# Altium PCB APP_EMILE.PcbDoc (part 1 of 6) (continued)
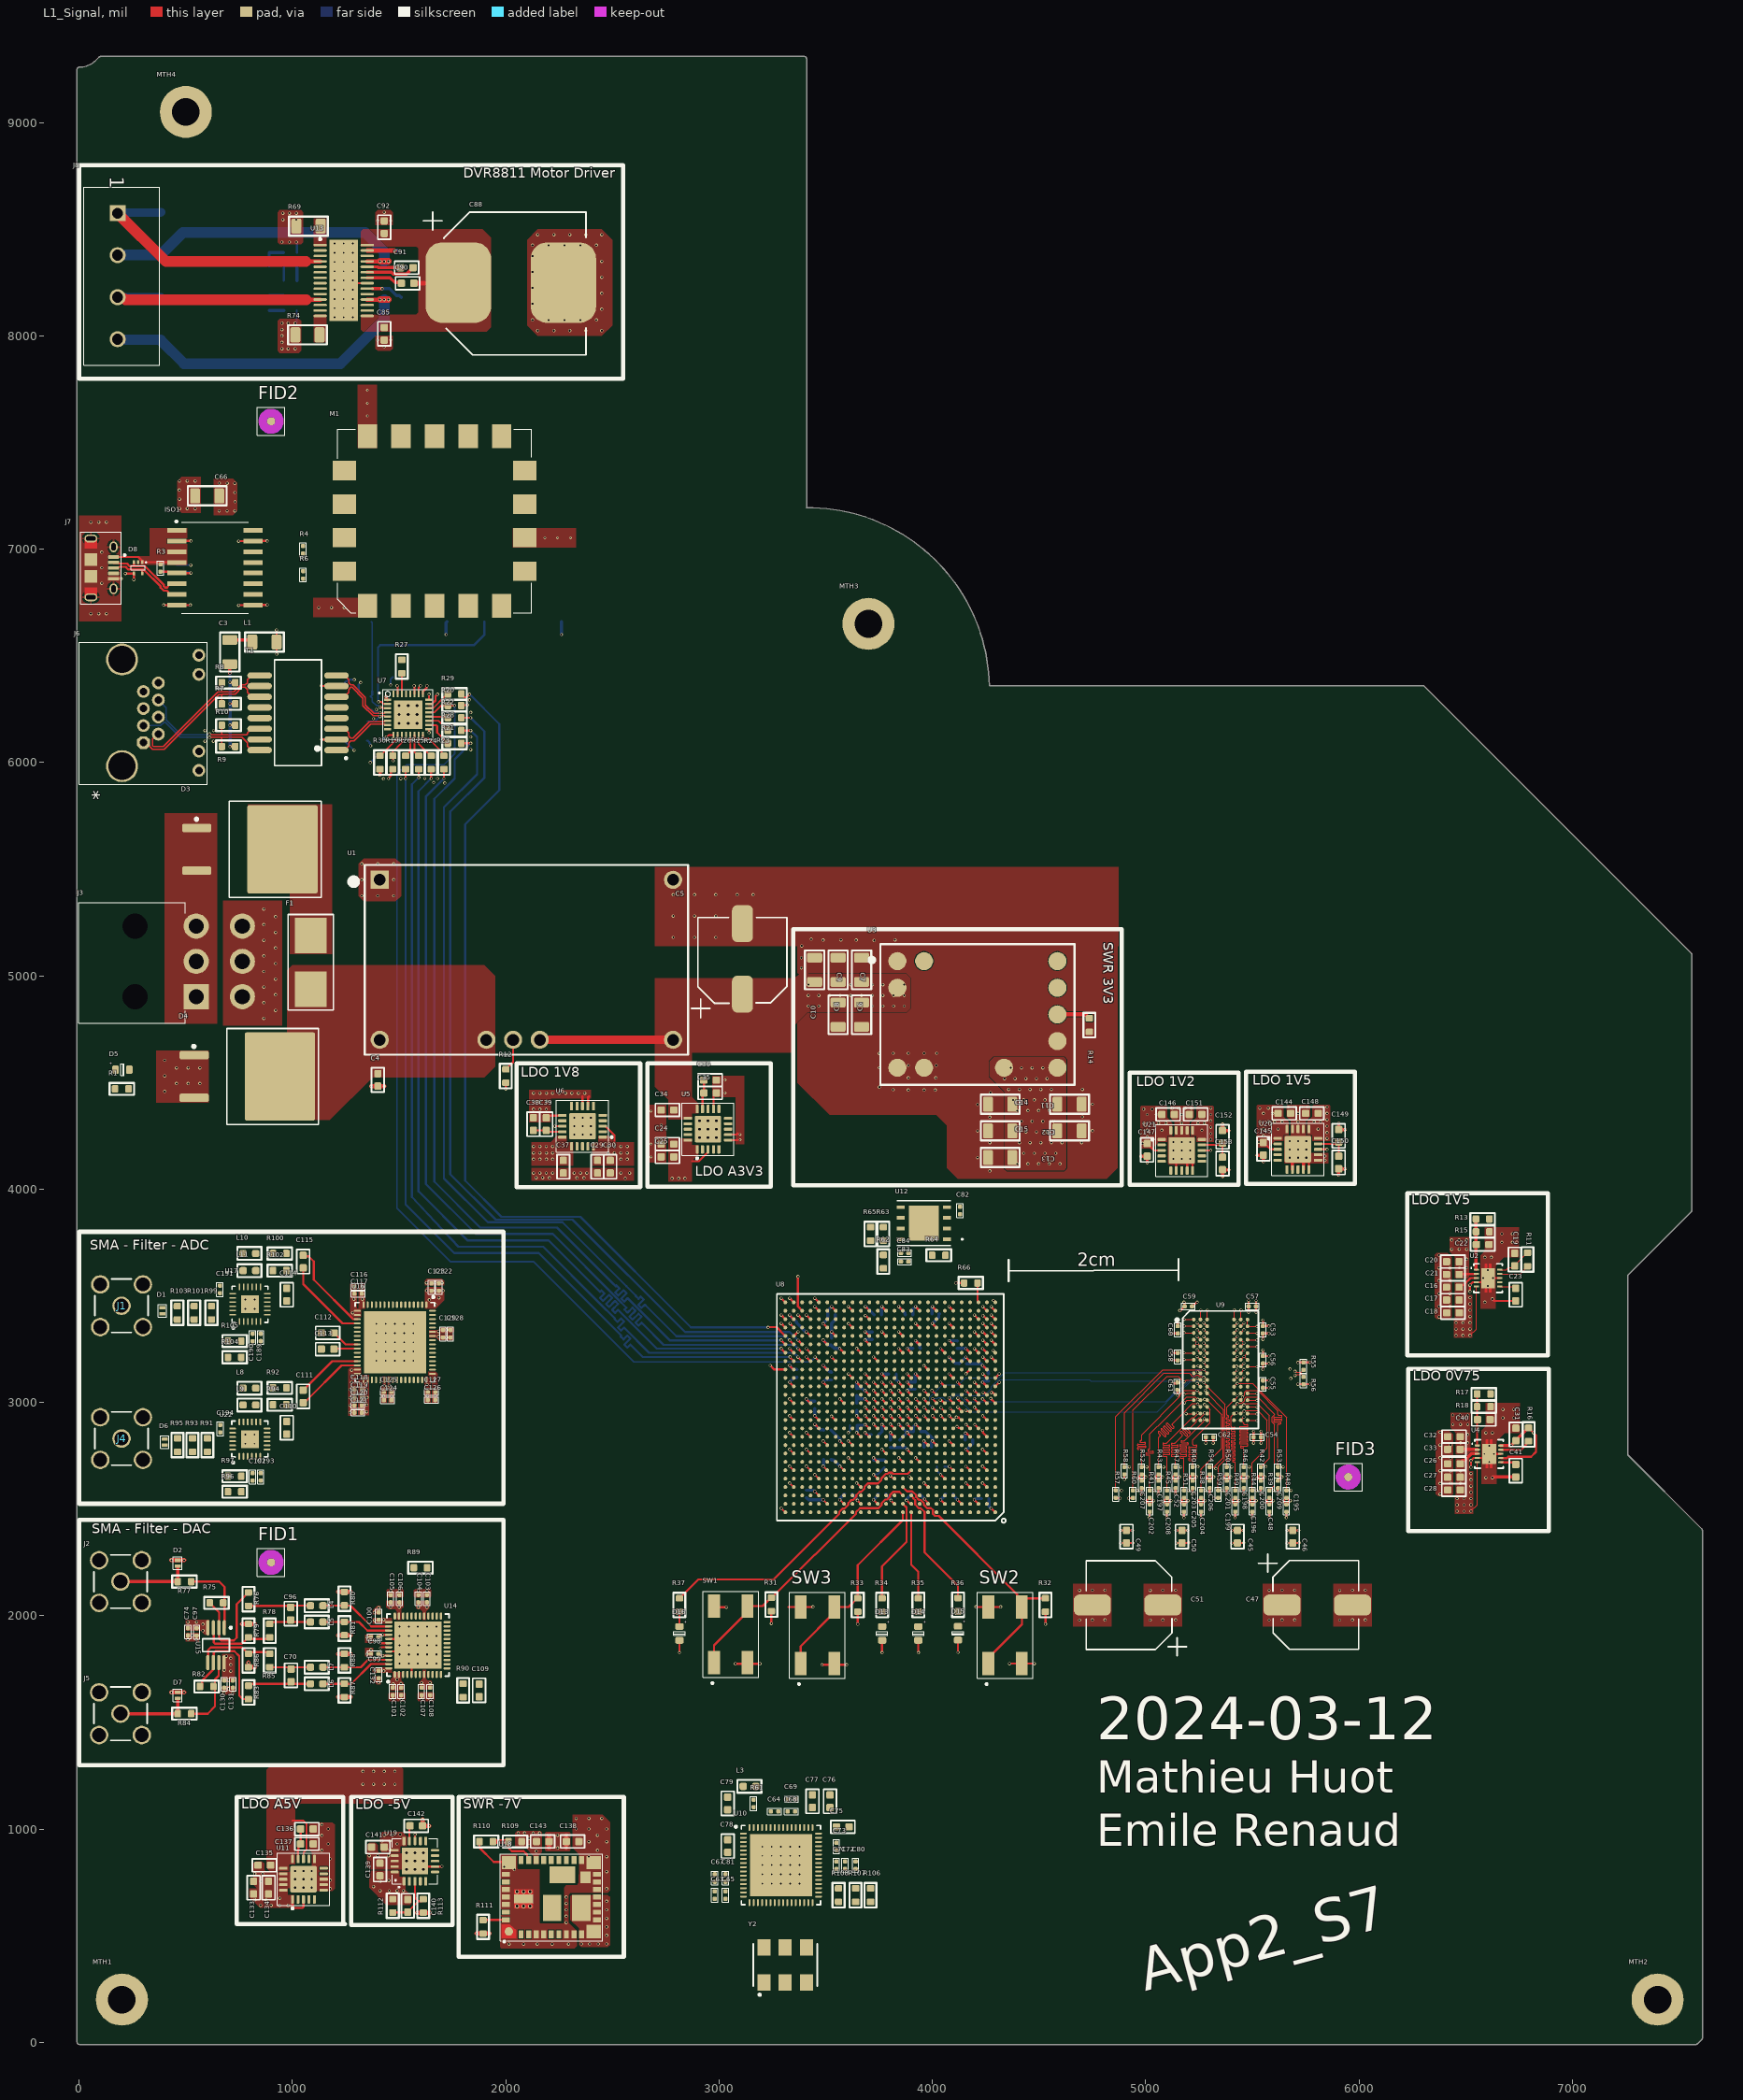
[diagram p0: L1_Signal view]
## Design rules (kind name [scope] priority, off if disabled: settings) (continued)
SilkToSilkClearance [All] p1 off: silktosilkclearance=4
SilkToSolderMaskClearance [IsPad] p1: minsilkscreentomaskgap=2 clearancetoexposedcopper=FALSE
SolderMaskExpansion [All] p1: expansion=2 istentingtop=FALSE
Width Width_Top [OnLayer('Top')] p1: maxlimit=10 minlimit=3 preferedwidth=3
Width Width_Bottom [OnLayer('Bottom')] p2: maxlimit=10 minlimit=4 preferedwidth=10 bottomlayer_maxwidth=4 bottomlayer_prefwidth=4 minimp=50.000000 maximp=50.000000 favimp=50.000000
Width Width_Internal_40 [InNetClass('DDR3_DQ[0..16]') OR InNetClass('DDR3_A[0..13]')] p3: maxlimit=10 minlimit=4 preferedwidth=10 midlayer3_minwidth=7.04 midlayer3_maxwidth=7.04 midlayer3_prefwidth=7.04 midlayer10_minwidth=7.04 midlayer10_maxwidth=7.04 midlayer10_prefwidth=7.04 impedanceprofiledriven=TRUE impedanceprofileid={386D6A9D-5684-4D86-8603-DC14102D44AB} impedanceprofilevalue=40.000000 minimp=50.000000 maximp=50.000000 favimp=50.000000
Width Width_Internal_50 [OnLayer('Signal 50 1')] p4: maxlimit=10 minlimit=4 preferedwidth=10 minimp=50.000000 maximp=50.000000 favimp=50.000000
21 further rules are at their usual default settings.

## Classes and differential pairs
net class ETH_TX: ETH_TXC ETH_TXD0 ETH_TXD1 ETH_TXD2 ETH_TXD3 ETH_TXEN ETH_TXER
net class ETH_RX: ETH_RXC ETH_RXD0 ETH_RXD1 ETH_RXD2 ETH_RXD3 ETH_RXDV ETH_RXER
net class DDR3_CLK: DDR3_CK_N DDR3_CK_P DDR3_LDQS_N DDR3_LDQS_P DDR3_UDQS_N DDR3_UDQS_P
net class DDR3_BA: DDR3_BA0 DDR3_BA1 DDR3_BA2
component class APP_1_FPGA_2: C154 C155 C156 C157 C158 C159 C160 C161 C162 C163 C164 C165 C166 C167 C168 C169 C170 C171 C172 C173 C174 C175 C176 C177 C178 C179 C180 C181 C182 C183 C184 C185 C186 C187 C188
component class APP_1_PowerAnalog: C133 C134 C135 C136 C137 C138 C139 C140 C141 C142 C143 C144 C145 C146 C147 C148 C149 C150 C151 C152 C153 R109 R110 R111 R112 R113 U11 U18 U19 U20 U21
differential pair class ETH: ETH_RD ETH_TD RX TX
differential pair class USB: D
net class DDR3_DQ[0..16]: DDR3_DQ0 DDR3_DQ1 DDR3_DQ2 DDR3_DQ3 DDR3_DQ4 DDR3_DQ5 DDR3_DQ6 DDR3_DQ7 DDR3_DQ8 DDR3_DQ9 DDR3_DQ10 DDR3_DQ11 DDR3_DQ12 DDR3_DQ13 DDR3_DQ14 DDR3_DQ15
net class DDR3_A[0..13]: DDR3_A0 DDR3_A1 DDR3_A2 DDR3_A3 DDR3_A4 DDR3_A5 DDR3_A6 DDR3_A7 DDR3_A8 DDR3_A9 DDR3_A10 DDR3_A11 DDR3_A12 DDR3_A13
component class APP_1_Power_m: C4 C5 C6 C7 C8 C9 C10 C11 C12 C13 C14 C15 C16 C17 C18 C19 C20 C21 C22 C23 C24 C25 C26 C27 C28 C29 C30 C31 C32 C33 C34 C35 C36 C37 C38 C39 C40 C41 R11 R12 R13 R14 R15 R16 R17 R18 U1 U2 U3 U4 U5 U6
component class APP_1_PLL_m: C63 C64 C65 C67 C68 C69 C71 C72 C73 C75 C76 C77 C78 C79 C80 C81 L3 R61 U10 Y2
component class APP_1_JTAG_m: M1 R106 R107 R108
component class APP_1_FPGA_m: D13 D14 D15 D16 FID1 FID2 FID3 R31 R32 R33 R34 R35 R36 R37 SW1 SW2 SW3 U8
component class APP_1_Flash_m: C82 C83 C84 R62 R63 R64 R65 R66 U12
component class APP_1_Ethernet_m: C42 C43 C44 L2 R19 R20 R21 R22 R23 R24 R25 R26 R27 R28 R29 R30 U7 Y1
component class APP_1_DriveMoteur_m: C85 C86 C87 C88 C89 C90 C91 C92 C93 C94 C95 R67 R68 R69 R70 R71 R72 R73 R74 U13
component class APP_1_DDR3_m: C45 C46 C47 C48 C49 C50 C51 C52 C53 C54 C55 C56 C57 C58 C59 C60 C61 C62 C195 C196 C197 C198 C199 C200 C201 C202 C203 C204 C205 C206 C207 C208 C209 R38 R39 R40 R41 R42 R43 R44 R45 R46 R47 R48 R49 R50 R51 R52 R53 R54 R55 R56 R57 R58 R59 R60 U9
component class APP_1_DAC_m: C70 C74 C96 C97 C98 C99 C100 C101 C102 C103 C104 C105 C106 C107 C108 C109 C130 C131 C132 L4 L5 L6 L7 R75 R76 R77 R78 R79 R80 R81 R82 R83 R84 R85 R86 R87 R88 R89 R90 U14 U15
component class APP_1_Connectors_m: C1 C2 C3 C66 D1 D2 D3 D4 D5 D6 D7 D8 D9 D10 D11 D12 F1 ISO1 J1 J2 J3 J4 J5 J6 J7 J8 L1 MTH1 MTH2 MTH3 MTH4 R1 R2 R3 R4 R5 R6 R7 R8 R9 R10 T1
component class APP_1_ADC_m: C110 C111 C112 C113 C114 C115 C116 C117 C118 C119 C120 C121 C122 C123 C124 C125 C126 C127 C128 C129 C189 C190 C191 C192 C193 C194 L8 L9 L10 L11 R91 R92 R93 R94 R95 R96 R97 R98 R99 R100 R101 R102 R103 R104 R105 U16 U17 U22
differential pair TX: +TX_P -TX_N
differential pair RX: +RX_P -RX_N
differential pair USB_DD: +USB_DD_P -USB_DD_N
differential pair D: +D_p -D_N
differential pair ETH_TD: +ETH_TD_P -ETH_TD_N
differential pair ETH_RD: +ETH_RD_P -ETH_RD_N
differential pair DDR3_UDQS: +DDR3_UDQS_P -DDR3_UDQS_N
differential pair DDR3_LDQS: +DDR3_LDQS_P -DDR3_LDQS_N
differential pair DDR3_CK: +DDR3_CK_P -DDR3_CK_N
differential pair DAC_D7: +DAC_D7_P -DAC_D7_N
differential pair DAC_D6: +DAC_D6_P -DAC_D6_N
differential pair DAC_D5: +DAC_D5_P -DAC_D5_N
differential pair DAC_D4: +DAC_D4_P -DAC_D4_N
differential pair DAC_D3: +DAC_D3_P -DAC_D3_N
differential pair DAC_D2: +DAC_D2_P -DAC_D2_N
differential pair DAC_D1: +DAC_D1_P -DAC_D1_N
differential pair DAC_D0: +DAC_D0_P -DAC_D0_N
differential pair DAC_CLK: +DAC_CLK_P -DAC_CLK_N
differential pair ADC_DB12: +ADC_DB12_P -ADC_DB12_N
differential pair ADC_DB10: +ADC_DB10_P -ADC_DB10_N
differential pair ADC_DB8: +ADC_DB8_P -ADC_DB8_N
differential pair ADC_DB6: +ADC_DB6_P -ADC_DB6_N
differential pair ADC_DB4: +ADC_DB4_P -ADC_DB4_N
differential pair ADC_DB2: +ADC_DB2_P -ADC_DB2_N
differential pair ADC_DB0: +ADC_DB0_P -ADC_DB0_N
differential pair ADC_DA12: +ADC_DA12_P -ADC_DA12_N
differential pair ADC_DA10: +ADC_DA10_P -ADC_DA10_N
differential pair ADC_DA8: +ADC_DA8_P -ADC_DA8_N
differential pair ADC_DA6: +ADC_DA6_P -ADC_DA6_N
differential pair ADC_DA4: +ADC_DA4_P -ADC_DA4_N
differential pair ADC_DA2: +ADC_DA2_P -ADC_DA2_N
differential pair ADC_DA0: +ADC_DA0_P -ADC_DA0_N
differential pair ADC_CLK: +ADC_CLK_P -ADC_CLK_N
differential pair 400MHz: +400MHz_P -400MHz_N
differential pair 200MHz: +200MHz_P -200MHz_N
differential pair 125MHz: +125MHz_P -125MHz_N
differential pair 100MHz: +100MHz_P -100MHz_N

## Components (designator, comment, footprint, x,y, rotation, side; value= is the part's Value field where it differs from the comment)
C1 "CAP - 0805" CAP_0805 1210,6108.72 r180 bottom
C2 "CAP - 0805" CAP_0805 1200,6358.72 r180 bottom
C3 "CAP - 1206" CAP_1206 705.98,6518.11 r270 top value=1000pf
C4 "CAP - 0603" CAP_0603 1400,4512 r90 top value=2.2uF
C5 "MAL214699501E3" CAP_ALU_1010_vishay 3109.69,5244.89 r270 top value=330uF
C6 "CAP - 1206" CAP_1206 3667.89,5027.98 r270 top value=47uF
C7 "CAP - 1206" CAP_1206 3667.89,4817.98 r90 top value=47uF
C8 "CAP - 1206" CAP_1206 3557.89,5027.98 r270 top value=47uF
C9 "CAP - 1206" CAP_1206 3557.89,4817.98 r90 top value=47uF
C10 "CAP - 1206" CAP_1206 3447.89,5027.98 r270 top value=47uF
C11 "CAP - 1206" CAP_1206 4317.89,4397.98 r0 top value=47uF
C12 "CAP - 1206" CAP_1206 4317.89,4272.98 r0 top value=47uF
C13 "CAP - 1206" CAP_1206 4317.89,4147.98 r0 top value=47uF
C14 "CAP - 1206" CAP_1206 4642.89,4397.98 r180 top value=47uF
C15 "CAP - 1206" CAP_1206 4642.89,4272.98 r180 top value=47uF
C16 "CAP - 0603" CAP_0603 6440,3540 r0 top value=10uF
C17 "CAP - 0603" CAP_0603 6440,3480 r0 top value=10uF
C18 "CAP - 0603" CAP_0603 6440.5,3420 r0 top value=10uF
C19 "CAP - 0603" CAP_0603 6730,3670 r270 top value=4.7uF
C20 "CAP - 0603" CAP_0603 6440,3660 r0 top value=10uF
C21 "CAP - 0603" CAP_0603 6440,3600 r0 top value=10uF
C22 "CAP - 0603" CAP_0603 6580,3740 r180 top value=1000pF
C23 "CAP - 0603" CAP_0603 6735,3505.2 r90 top value=0.1uF
C24 "CAP - 0603" CAP_0603 2758,4211 r0 top value=10uF
C25 "CAP - 0603" CAP_0603 2758,4151 r0 top value=47uF
C26 "CAP - 0603" CAP_0603 6445.15,2712.57 r0 top value=10uF
C27 "CAP - 0603" CAP_0603 6445.15,2649.57 r0 top value=10uF
C28 "CAP - 0603" CAP_0603 6445.15,2589.57 r0 top value=10uF
C29 "CAP - 0603" CAP_0603 2429.65,4104.77 r90 top value=10uF
C30 "CAP - 0603" CAP_0603 2489.65,4104.77 r90 top value=47uF
C31 "CAP - 0603" CAP_0603 6735.15,2849.57 r270 top value=4.7uF
C32 "CAP - 0603" CAP_0603 6445.65,2839.57 r0 top value=10uF
C33 "CAP - 0603" CAP_0603 6445.15,2779.57 r0 top value=10uF
C34 "CAP - 0603" CAP_0603 2758,4371 r0 top value=10uF
C35 "CAP - 0603" CAP_0603 2958,4451 r180 top value=10nF
C36 "CAP - 0603" CAP_0603 2958,4511 r180 top value=1uF
C37 "CAP - 0603" CAP_0603 2269.65,4104.77 r90 top value=10uF
C38 "CAP - 0603" CAP_0603 2129.65,4304.77 r270 top value=10nF
C39 "CAP - 0603" CAP_0603 2189.65,4304.77 r270 top value=1uF
C40 "CAP - 0603" CAP_0603 6585.15,2919.57 r180 top value=1000pF
C41 "CAP - 0603" CAP_0603 6735.15,2679.57 r90 top value=0.1uF
C42 "MAL214699501E3" CAP_ALU_1010_vishay 2230.71,6641.47 r180 bottom value=2.2uF
C43 "CAP - 0603" CAP_0603 1440,6400 r180 bottom value=0.1uF
C44 "MAL214699501E3" CAP_ALU_1010_vishay 1690,6640 r180 bottom value=2.2uF
C45 "CAP - 0603" CAP_0603 5430,2370.5 r90 top value=4.7uF
C46 "CAP - 0603" CAP_0603 5690,2370.5 r90 top value=4.7uF
C47 "MAL215099101E3" CAP_ALU_1010_vishay 5970,2050 r180 top value=100uF
C48 "CAP - 0402" CAP_0402 5580,2505 r90 top value=22pF
C49 "CAP - 0603" CAP_0603 4910,2370.5 r90 top value=4.7uF
C50 "CAP - 0603" CAP_0603 5170,2370.5 r90 top value=4.7uF
C51 "MAL215099101E3" CAP_ALU_1010_vishay 4750,2050 r0 top value=100uF
C52 "CAP - 0402" CAP_0402 5140,2615 r90 top value=22pF
C53 "CAP - 0402" CAP_0402 5550,3340.86 r270 top value=220pF
C54 "CAP - 0402" CAP_0402 5523.51,2836.89 r0 top value=220pF
C55 "CAP - 0402" CAP_0402 5550,3085.64 r90 top value=220pF
C56 "CAP - 0402" CAP_0402 5550,3199.86 r270 top value=220pF
C57 "CAP - 0402" CAP_0402 5500,3450 r180 top value=220pF
C58 "CAP - 0402" CAP_0402 5150,3214.52 r90 top value=22pF
C59 "CAP - 0402" CAP_0402 5200,3450 r0 top value=22pF
C60 "CAP - 0402" CAP_0402 5150,3340.5 r270 top value=22pF
C61 "CAP - 0402" CAP_0402 5147.6,3075.69 r270 top value=22pF
C62 "CAP - 0402" CAP_0402 5299.46,2836.89 r180 top value=22pF
C63 "CAP - 0402" CAP_0402 2980,690 r270 top value=220pF
C64 "CAP - 0402" CAP_0402 3260.5,1082.5 r0 top value=220pF
C65 "CAP - 0402" CAP_0402 3030,690 r90 top value=220pF
C66 "CAP - 1206" CAP_1206 600,7250 r180 top value=1000pf
C67 "CAP - 0402" CAP_0402 2980,770 r90 top value=1nF
C68 "CAP - 0402" CAP_0402 3339.21,1082.5 r180 top value=1nF
C69 "CAP - 0402" CAP_0402 3340,1140 r180 top value=1nF
C70 "CAP - 0603" CAP_0603 993.35,1720 r270 top value=150pF
C71 "CAP - 0402" CAP_0402 3550,830 r90 top value=4.7nF
C72 "CAP - 0402" CAP_0402 3590,830 r90 top value=4.7nF
C73 "CAP - 0402" CAP_0402 3550,917.48 r270 top value=4.7nF
C74 "CAP - 0402" CAP_0402 510,1924.69 r90 top value=10nF
C75 "CAP - 0603" CAP_0603 3580,1010 r180 top value=4.7uF
C76 "CAP - 0603" CAP_0603 3520,1130 r270 top value=4.7uF
C77 "CAP - 0603" CAP_0603 3437.64,1130 r270 top value=1uF
C78 "CAP - 0603" CAP_0603 3040,920 r90 top value=1uF
C79 "CAP - 0603" CAP_0603 3040,1120 r90 top value=1uF
C80 "CAP - 0402" CAP_0402 3640,830 r90 top value=2.2nF
C81 "CAP - 0402" CAP_0402 3030,770 r90 top value=220pF
C82 "CAP - 0402" CAP_0402 4130,3900 r270 top value=47nF
C83 "CAP - 0402" CAP_0402 3870,3660 r180 top value=4.7nF
C84 "CAP - 0402" CAP_0402 3870,3700 r180 top value=470pF
C85 "CAP - 0603" CAP_0603 1430,8010 r90 top value=0.1uF
C86 "CAP - 0603" CAP_0603 1100,8010 r90 bottom
C87 "CAP - 0603" CAP_0603 1500,8430 r270 bottom
C88 "MAL214699108E3" CAP_ALU_1616_vishay 2270,8250 r180 top value=470uF
C89 "CAP - 0603" CAP_0603 1540,8180 r180 bottom value=0.22uF
C90 "CAP - 0603" CAP_0603 1540,8247.2 r180 top value=0.22uF
C91 "CAP - 0603" CAP_0603 1535.5,8320 r0 top value=0.22uF
C92 "CAP - 0603" CAP_0603 1430,8510 r270 top value=0.1uF
C93 "CAP - 0603" CAP_0603 860,8330 r0 bottom value=1nF
C94 "CAP - 0603" CAP_0603 990,8330 r0 bottom value=1nF
C95 "CAP - 0603" CAP_0603 990,8120 r180 bottom value=1nF
C96 "CAP - 0603" CAP_0603 991.45,2009.28 r90 top value=150pF
C97 "CAP - 0402" CAP_0402 550.85,1924.19 r90 top value=10nF
C98 "CAP - 0402" CAP_0402 1385,1900 r0 top value=1nF
C99 "CAP - 0402" CAP_0402 1385,1820 r0 top value=220pF
C100 "CAP - 0402" CAP_0402 1404,1998 r270 top value=22pF
C101 "CAP - 0402" CAP_0402 1470,1645 r90 top value=1nF
C102 "CAP - 0402" CAP_0402 1510,1645 r90 top value=1nF
C103 "CAP - 0402" CAP_0402 1630,2080 r270 top value=1nF
C104 "CAP - 0402" CAP_0402 1590,2080 r270 top value=220pF
C105 "CAP - 0402" CAP_0402 1460,2080 r270 top value=220pF
C106 "CAP - 0402" CAP_0402 1501.52,2080 r270 top value=220pF
C107 "CAP - 0402" CAP_0402 1605,1645 r90 top value=22pF
C108 "CAP - 0402" CAP_0402 1645,1645 r90 top value=22pF
C109 "CAP - 0603" CAP_0603 1875,1650 r90 top value=0.1uF
C110 "CAP - 0603" CAP_0603 973,2881 r90 top value=0.1uF
C111 "CAP - 0603" CAP_0603 1050,3028 r90 top value=150pF
C112 "CAP - 0603" CAP_0603 1165,3326 r180 top value=0.1uF
C113 "CAP - 0603" CAP_0603 1165,3250 r180 top value=0.1uF
C114 "CAP - 0603" CAP_0603 973,3505 r90 top value=0.1uF
C115 "CAP - 0603" CAP_0603 1050,3660 r90 top value=150pF
C116 "CAP - 0402" CAP_0402 1307.52,3541.89 r0 top value=1nF
C117 "CAP - 0402" CAP_0402 1307.52,3508.89 r0 top value=1nF
C118 "CAP - 0402" CAP_0402 1307,3059 r0 top value=1nF
C119 "CAP - 0402" CAP_0402 1307,3022 r0 top value=100pF
C120 "CAP - 0402" CAP_0402 1307,2987 r0 top value=100pF
C121 "CAP - 0402" CAP_0402 1307,2952 r0 top value=100pF
C122 "CAP - 0402" CAP_0402 1686.25,3540.84 r270 top value=1nF
C123 "CAP - 0402" CAP_0402 1651.25,3540.84 r270 top value=1nF
C124 "CAP - 0402" CAP_0402 1446.33,3010.64 r180 top value=1nF
C125 "CAP - 0402" CAP_0402 1445.39,3048.89 r180 top value=1nF
C126 "CAP - 0402" CAP_0402 1651.34,3011.25 r180 top value=100pF
C127 "CAP - 0402" CAP_0402 1651.22,3048.89 r180 top value=100pF
C128 "CAP - 0402" CAP_0402 1740.29,3321.84 r270 top value=100pF
C129 "CAP - 0402" CAP_0402 1705.29,3321.84 r270 top value=100pF
C130 "CAP - 0402" CAP_0402 680,1679.18 r90 top value=10nF
C131 "CAP - 0402" CAP_0402 720,1679.18 r90 top value=10nF
C132 "CAP - 0402" CAP_0402 1404,1724 r90 top value=1nF
C133 "CAP - 0603" CAP_0603 817.64,725.12 r270 top value=10uF
C134 "CAP - 0603" CAP_0603 887.64,725.12 r270 top value=47uF
C135 "CAP - 0603" CAP_0603 867.64,830 r0 top value=10uF
C136 "CAP - 0603" CAP_0603 1067.64,1000 r180 top value=10nF
C137 "CAP - 0603" CAP_0603 1067.64,930 r180 top value=1uF
C138 "CAP - 0603" CAP_0603 2313.25,941.06 r0 top value=47uF
C139 "CAP - 0603" CAP_0603 1410,810 r270 top value=47uF
C140 "CAP - 0603" CAP_0603 1540,639.88 r270 top value=10nF
C141 "CAP - 0603" CAP_0603 1400,914.88 r0 top value=10uF
C142 "CAP - 0603" CAP_0603 1580,1014.88 r180 top value=1uF
C143 "CAP - 0603" CAP_0603 2173.25,941.06 r180 top value=47uF
C144 "CAP - 0603" CAP_0603 5650,4355 r180 top value=10uF
C145 "CAP - 0603" CAP_0603 5552,4189 r90 top value=47uF
C146 "CAP - 0603" CAP_0603 5105,4350 r180 top value=10uF
C147 "CAP - 0603" CAP_0603 5007,4184 r90 top value=47uF
C148 "CAP - 0603" CAP_0603 5779,4355 r0 top value=10uF
C149 "CAP - 0603" CAP_0603 5905,4250 r270 top value=10nF
C150 "CAP - 0603" CAP_0603 5905,4125 r90 top value=1uF
C151 "CAP - 0603" CAP_0603 5234,4350 r0 top value=10uF
C152 "CAP - 0603" CAP_0603 5360,4245 r270 top value=10nF
C153 "CAP - 0603" CAP_0603 5360,4120 r90 top value=1uF
C154 "CAP - 0402" CAP_0402 3645,3049 r90 bottom value=4.7uF
C155 "CAP - 0402" CAP_0402 3731,2849 r0 bottom value=4.7uF
C156 "CAP - 0402" CAP_0402 3847,2806 r90 bottom value=0.47uF
C157 "CAP - 0402" CAP_0402 3631,2893 r0 bottom value=0.47uF
C158 "CAP - 0402" CAP_0402 3928,2864 r180 bottom value=0.47uF
C159 "CAP - 0402" CAP_0402 3919,3079 r90 bottom value=0.47uF
C160 "CAP - 0402" CAP_0402 3804,2806 r90 bottom value=4.7uF
C161 "CAP - 0402" CAP_0402 3645,2979 r270 bottom value=4.7uF
C162 "CAP - 0402" CAP_0402 3979,2791 r180 bottom value=4.7uF
C163 "CAP - 0402" CAP_0402 4142,3181 r180 bottom value=0.47uF
C164 "CAP - 0402" CAP_0402 4116,3271 r90 bottom value=0.47uF
C165 "CAP - 0402" CAP_0402 3718,3312 r270 bottom value=0.47uF
C166 "CAP - 0402" CAP_0402 3926,3253 r0 bottom value=0.47uF
C167 "CAP - 0402" CAP_0402 3507,2870 r180 bottom value=0.47uF
C168 "CAP - 0402" CAP_0402 4038.9,2699.12 r0 bottom value=0.47uF
C169 "CAP - 0402" CAP_0402 3891,3412 r180 bottom value=4.7uF
C170 "CAP - 0402" CAP_0402 3528,3123 r90 bottom value=4.7uF
C171 "CAP - 0402" CAP_0402 3365,3136 r270 bottom value=0.47uF
C172 "CAP - 0402" CAP_0402 3763.5,2571 r180 bottom value=0.47uF
C173 "CAP - 0402" CAP_0402 4078.5,2571 r180 bottom value=0.47uF
C174 "CAP - 0402" CAP_0402 3408.98,2571 r90 bottom value=4.7uF
C175 "CAP - 0402" CAP_0402 3365,3354 r90 bottom value=4.7uF
C176 "CAP - 0402" CAP_0402 3744,3412 r180 bottom value=0.47uF
C177 "CAP - 0402" CAP_0402 4015,3416 r180 bottom value=0.47uF
C178 "CAP - 0402" CAP_0402 3448,2989 r90 bottom value=0.47uF
C179 "CAP - 0402" CAP_0402 3605.75,2571 r180 bottom value=4.7uF
C180 "CAP - 0402" CAP_0402 3920.72,2571 r180 bottom value=4.7uF
C181 "CAP - 0402" CAP_0402 4171,2824 r180 bottom value=0.47uF
C182 "CAP - 0402" CAP_0402 4248,2549 r180 bottom value=0.47uF
C183 "CAP - 0402" CAP_0402 3527,3411 r180 bottom value=0.47uF
C184 "CAP - 0402" CAP_0402 3776,2713 r90 bottom value=4.7uF
C185 "CAP - 0402" CAP_0402 3507,2733 r180 bottom value=4.7uF
C186 "CAP - 0402" CAP_0402 3813,3133 r180 bottom value=0.47uF
C187 "CAP - 0402" CAP_0402 4264,3118 r270 bottom value=0.47uF
C188 "CAP - 0402" CAP_0402 3528,3283 r270 bottom value=0.47uF
C189 "CAP - 0402" CAP_0402 851.04,3304.8 r90 top value=1nF
C190 "CAP - 0402" CAP_0402 813.09,3304.63 r90 top value=1nF
C191 "CAP - 0402" CAP_0402 660,3530 r270 top value=1nF
C192 "CAP - 0402" CAP_0402 813,2651 r90 top value=1nF
C193 "CAP - 0402" CAP_0402 851,2651 r90 top value=1nF
C194 "CAP - 0402" CAP_0402 661,2877 r270 top value=1nF
C195 "CAP - 0402" CAP_0402 5660,2505 r90 top value=22pF
C196 "CAP - 0402" CAP_0402 5500,2505 r90 top value=22pF
C197 "CAP - 0402" CAP_0402 5060,2615 r90 top value=22pF
C198 "CAP - 0402" CAP_0402 5460,2615 r90 top value=22pF
C199 "CAP - 0402" CAP_0402 5420,2505 r90 top value=22pF
C200 "CAP - 0402" CAP_0402 5540,2615 r90 top value=22pF
C201 "CAP - 0402" CAP_0402 5380,2615 r90 top value=22pF
C202 "CAP - 0402" CAP_0402 5019.09,2505 r90 top value=22pF
C203 "CAP - 0402" CAP_0402 5220,2615 r90 top value=22pF
C204 "CAP - 0402" CAP_0402 5260,2505 r90 top value=22pF
C205 "CAP - 0402" CAP_0402 5180,2505 r90 top value=22pF
C206 "CAP - 0402" CAP_0402 5300,2615 r90 top value=22pF
C207 "CAP - 0402" CAP_0402 4981,2615 r90 top value=22pF
C208 "CAP - 0402" CAP_0402 5100,2505 r90 top value=22pF
C209 "CAP - 0402" CAP_0402 5620,2615 r90 top value=22pF
D1 "TPD1E1B04DPYR" TVS_DATA_TPD1E1B04DPYR 390,3430 r270 top
D2 "TPD1E1B04DPYR" TVS_DATA_TPD1E1B04DPYR 461.85,2246.22 r90 top
D3 "MBRB4030T4G" DIO_SCHOTTKY_MBRB4030T4G 884.66,5593.11 r270 top value="Vf = 550mV @ 40A"
D4 "MBRB4030T4G" DIO_SCHOTTKY_MBRB4030T4G 872.57,4528.11 r270 top value="Vf = 550mV @ 40A"
D5 "SML-311UTT86" LED_0603 202.48,4560 r0 top value=RED
D6 "TPD1E1B04DPYR" TVS_DATA_TPD1E1B04DPYR 400.98,2813.67 r270 top
D7 "TPD1E1B04DPYR" TVS_DATA_TPD1E1B04DPYR 461.85,1626.85 r90 top
D8 "TPD2E001DRLR" TVS_USB_TPD2E001DRLR 275.98,6912.52 r270 top value="11V Breakdown"
D9 "SMBJ24CA" TVS_PWR_SMBJ36CA 480,7980 r0 bottom value="Vbr = 26.7V -  Clamp = 38.9V"
D10 "SMBJ24CA" TVS_PWR_SMBJ36CA 480,8180 r0 bottom value="Vbr = 26.7V -  Clamp = 38.9V"
D11 "SMBJ24CA" TVS_PWR_SMBJ36CA 480,8380 r0 bottom value="Vbr = 26.7V -  Clamp = 38.9V"
D12 "SMBJ24CA" TVS_PWR_SMBJ36CA 480,8580 r0 bottom value="Vbr = 26.7V -  Clamp = 38.9V"
D13 "SML-311DTT86" LED_0603 3764.02,1916.89 r270 top value=ORANGE
D14 "SML-311DTT86" LED_0603 3934.02,1916.89 r270 top value=ORANGE
D15 "SML-311DTT86" LED_0603 4120,1918.39 r270 top value=ORANGE
D16 "SML-311DTT86" LED_0603 2814.02,1916.89 r270 top value=ORANGE
F1 "0154002.DR" FUS_0154XXX.DR 1085.98,5063.11 r270 top value="2A 125V AC/DC FAST"
FID1 "FID 1MM" FID_CIRCLE_1MM 900,2250 r0 top
FID2 "FID 1MM" FID_CIRCLE_1MM 900,7600 r0 top
FID3 "FID 1MM" FID_CIRCLE_1MM 5950,2650 r0 top
ISO1 "ADUM3160BRWZ-RL" ISO_ADUM3160BRWZ-RL 635.98,6913.11 r0 top value="2500Vrms voltage isolation"
J1 "5-1814400-1" CONN_SMA_5-1814400-1 198.67,3453.11 r90 top
J2 "5-1814400-1" CONN_SMA_5-1814400-1 193.35,2160 r90 top
J3 "0039300060" CON_MINIFIT_0039300060 367.96,5067.76 r90 top
J4 "5-1814400-1" CONN_SMA_5-1814400-1 198.67,2830.51 r90 top
J5 "5-1814400-1" CONN_SMA_5-1814400-1 193.35,1540.63 r90 top
J6 "RJHSE-5385" CONN_ETHERNET_RJHSE-5385 300.98,6233.11 r270 top locked
J7 "10118194-0001LF" CON_USB_10118194-0001LF 54.68,6912.52 r270 top value="USB - Micro B"
J8 "OSTTC040162" CONN_TERMINAL_OSTTA040161 180,8280 r270 top
L1 "FER - 1206" FER_1206 868.26,6565.11 r180 top value=100R
L2 "FER - 0603" FER_0603 1340,6330 r180 bottom value=100R
L3 "FER - 0603" FER_0603 3142.36,1200 r0 top value=100R
L4 "FER - 0603" FER_0603 1113.35,2047 r0 top value=0.1uH
L5 "FER - 0603" FER_0603 1113.35,1970.5 r0 top value=0.1uH
L6 "FER - 0603" FER_0603 1113.35,1680.5 r0 top value=0.1uH
L7 "FER - 0603" FER_0603 1113.35,1758.5 r0 top value=0.1uH
L8 "FER - 0603" FER_0603 798,3067 r180 top value=0.1uH
L9 "FER - 0603" FER_0603 798,2988 r180 top value=0.1uH
L10 "FER - 0603" FER_0603 798,3698.15 r180 top value=0.1uH
L11 "FER - 0603" FER_0603 798,3617.74 r180 top value=0.1uH
M1 "410-357-B" MOD_JTAG_410-357-B 1666.01,7132.47 r0 top
MTH1 "M3" MTH_M3 200,200 r0 top
MTH2 "M3" MTH_M3 7400,200 r0 top
MTH3 "M3" MTH_M3 3700,6650 r0 top
MTH4 "M3" MTH_M3 500,9050 r0 top
R1 "RES - 0603" RES_0603 200,4470 r0 top value=11k1
R2 "RES - 0603" RES_0603 1350,6225 r270 bottom value=100
R3 "RES - 0402" RES_0402 380.98,6912.52 r90 top value=0
R4 "RES - 0402" RES_0402 1050,6997.5 r90 top value=0
R5 "RES - 0402" RES_0402 457.73,6909.61 r90 bottom value=DNI
R6 "RES - 0402" RES_0402 1050,6880 r90 top value=DNI
R7 "RES - 0603" RES_0603 700,6275 r180 top value=75
R8 "RES - 0603" RES_0603 700,6375 r180 top value=75
R9 "RES - 0603" RES_0603 700,6075 r180 top value=75
R10 "RES - 0603" RES_0603 700,6175 r180 top value=75
R11 "RES - 0603" RES_0603 6790,3670 r90 top value=100k
R12 "RES - 0603" RES_0603 2000,4530 r90 top value=21k
R13 "RES - 0603" RES_0603 6580,3860 r0 top value=12k
R14 "RES - 0603" RES_0603 4736,4769 r90 top value=1k21
R15 "RES - 0603" RES_0603 6580,3800 r180 top value=10k
R16 "RES - 0603" RES_0603 6795.15,2849.57 r90 top value=100k
R17 "RES - 0603" RES_0603 6585.15,3039.57 r0 top value=34k
R18 "RES - 0603" RES_0603 6585.15,2979.57 r180 top value=10k
R19 "RES - 0603" RES_0603 1470,6000 r270 top value=1k
R20 "RES - 0603" RES_0603 1760,6267.13 r0 top value=1k
R21 "RES - 0603" RES_0603 1760,6090 r0 top value=33
R22 "RES - 0603" RES_0603 1760,6210 r0 top value=33
R23 "RES - 0603" RES_0603 1710,6000 r270 top value=33
R24 "RES - 0603" RES_0603 1650,6000 r270 top value=33
R25 "RES - 0603" RES_0603 1591.34,6000 r270 top value=33
R26 "RES - 0603" RES_0603 1530,6000 r270 top value=33
R27 "RES - 0603" RES_0603 1512.6,6450 r270 top value=220
R28 "RES - 0603" RES_0603 1760,6150 r0 top value=33
R29 "RES - 0603" RES_0603 1760,6321.46 r0 top value=33
R30 "RES - 0603" RES_0603 1410,6000 r90 top value=6.49k
R31 "RES - 0603" RES_0603 3245.02,2052.58 r270 top value=10k
R32 "RES - 0603" RES_0603 4530,2050 r90 top value=10k
R33 "RES - 0603" RES_0603 3650,2050 r90 top value=10k
R34 "RES - 0603" RES_0603 3764.02,2050 r90 top value=330
R35 "RES - 0603" RES_0603 3934.02,2050 r90 top value=330
R36 "RES - 0603" RES_0603 4120,2051.5 r90 top value=330
R37 "RES - 0603" RES_0603 2814.02,2050 r90 top value=330
R38 "RES - 0402" RES_0402 5260,2570 r270 top
R39 "RES - 0402" RES_0402 5580,2570 r270 top
R40 "RES - 0402" RES_0402 5220,2680 r270 top
R41 "RES - 0402" RES_0402 5019.09,2570 r270 top
R42 "RES - 0402" RES_0402 5540,2680 r270 top
R43 "RES - 0402" RES_0402 5060,2680 r270 top
R44 "RES - 0402" RES_0402 5500,2570 r270 top
R45 "RES - 0402" RES_0402 5100,2570 r270 top
R46 "RES - 0402" RES_0402 5460,2680 r270 top
R47 "RES - 0402" RES_0402 5140,2680 r270 top
R48 "RES - 0402" RES_0402 5660,2570 r270 top
R49 "RES - 0402" RES_0402 5420,2570 r270 top
R50 "RES - 0402" RES_0402 5380,2680 r270 top
R51 "RES - 0402" RES_0402 5180,2570 r270 top
R52 "RES - 0402" RES_0402 4981,2680 r270 top
R53 "RES - 0402" RES_0402 5620,2680 r270 top
R54 "RES - 0402" RES_0402 5300,2680 r270 top value=40R
R55 "RES - 0402" RES_0402 5740,3170 r270 top
R56 "RES - 0402" RES_0402 5740,3102.89 r270 top
R57 "RES - 0402" RES_0402 4860,2570 r270 top
R58 "RES - 0402" RES_0402 4900,2680 r270 top
R59 "RES - 0402" RES_0402 5340,2570 r270 top
R60 "RES - 0402" RES_0402 4940,2570 r270 top
R61 "RES - 0402" RES_0402 3162.05,1120 r90 top
R62 "RES - 0603" RES_0603 3770,3660 r90 top value=330
R63 "RES - 0603" RES_0603 3770,3790 r270 top value=330R
R64 "RES - 0603" RES_0603 4030,3690 r180 top value=330R
R65 "RES - 0603" RES_0603 3710,3790 r90 top value=330R
R66 "RES - 0603" RES_0603 4180,3560 r0 top value=4.7k
R67 "RES - 0603" RES_0603 990,8190 r0 bottom value=10k
R68 "RES - 0603" RES_0603 860,8190 r0 bottom value=10k
R69 "RES - 1206" RES_1206 1075,8515 r0 top
R70 "RES - 0603" RES_0603 860,8390 r180 bottom value=10k
R71 "RES - 0603" RES_0603 990,8390 r180 bottom value=10k
R72 "RES - 0603" RES_0603 990,8260 r0 bottom value=47k
R73 "RES - 0603" RES_0603 860,8120 r0 bottom value=47k
R74 "RES - 1206" RES_1206 1070,8005 r0 top
R75 "RES - 0603" RES_0603 643.35,2060 r180 top value=40R
R76 "RES - 0603" RES_0603 793.35,2077.5 r270 top value=40R
R77 "RES - 0603" RES_0603 493.35,2160 r0 top value=40R
R78 "RES - 0603" RES_0603 893.35,1930 r90 top value=40R
R79 "RES - 0603" RES_0603 793.35,1930 r90 top value=40R
R80 "RES - 0603" RES_0603 1243.35,2080 r270 top
R81 "RES - 0603" RES_0603 1243.35,1940 r90 top
R82 "RES - 0603" RES_0603 597.66,1667.73 r180 top value=40R
R83 "RES - 0603" RES_0603 793.35,1640 r90 top value=40R
R84 "RES - 0603" RES_0603 493.35,1540.63 r0 top value=40R
R85 "RES - 0603" RES_0603 893.35,1790 r270 top value=40R
R86 "RES - 0603" RES_0603 793.35,1790 r270 top value=40R
R87 "RES - 0603" RES_0603 1243.35,1650 r90 top
R88 "RES - 0603" RES_0603 1243.35,1790 r270 top
R89 "RES - 0603" RES_0603 1600,2225 r0 top
R90 "RES - 0603" RES_0603 1800,1650 r90 top value=10k
R91 "RES - 0603" RES_0603 600.98,2799.89 r270 top value=348
R92 "RES - 0603" RES_0603 940,3068.16 r180 top value=40R
R93 "RES - 0603" RES_0603 530.98,2799.89 r90 top value=348
R94 "RES - 0603" RES_0603 940,2989 r180 top value=40R
R95 "RES - 0603" RES_0603 460.98,2799.89 r90 top value=56.2
R96 "RES - 0603" RES_0603 728.5,2581 r0 top value=374
R97 "RES - 0603" RES_0603 728.5,2654 r180 top value=348
R98 "RES - 0603" RES_0603 1136,3284 r90 bottom value=100R
R99 "RES - 0603" RES_0603 620,3420 r270 top value=348
R100 "RES - 0603" RES_0603 940,3698.15 r180 top value=40R
R101 "RES - 0603" RES_0603 538.89,3420 r90 top value=348
R102 "RES - 0603" RES_0603 940,3617.74 r180 top value=40R
R103 "RES - 0603" RES_0603 460,3420 r90 top value=56.2
R104 "RES - 0603" RES_0603 728.5,3211.6 r0 top value=374
R105 "RES - 0603" RES_0603 728.5,3287.5 r180 top value=348
R106 "RES - 0603" RES_0603 3710,690 r270 top
R107 "RES - 0603" RES_0603 3640,690 r90 top
R108 "RES - 0603" RES_0603 3560,690 r90 top value=1.14k
R109 "RES - 0603" RES_0603 2043.25,941.06 r0 top
R110 "RES - 0603" RES_0603 1908.25,941.06 r0 top
R111 "RES - 0603" RES_0603 1893.25,541.06 r90 top
R112 "RES - 0603" RES_0603 1470,639.88 r270 top
R113 "RES - 0603" RES_0603 1613.19,639.88 r90 top
SW1 "B3SN-3012P" SWI_TACT_B3SN-3012P 3055.02,1912.58 r90 top
SW2 "B3SN-3012P" SWI_TACT_B3SN-3012P 4340.98,1908.11 r90 top
SW3 "B3SN-3012P" SWI_TACT_B3SN-3012P 3460.98,1908.11 r90 top
T1 "H1102NLT" TRANSFO_H1102NLT 1025.98,6233.11 r180 top value="1:1 (350uH)"
U1 "PTN78020WAH" REG_SWR_PTN78020WAH 2096.66,5075 r0 top value="7V ~ 36V -> 2.5 ~ 12.6V"
U2 "TPS51200DRCT" REG_PMIC_TPS51200DRCT 6605,3582.6 r0 top value="DDR, DDR2, DDR3(L), DDR4"
U3 "PTH08T241WAZ" REG_SWR_PTH08T241WAZ 4211,4819 r0 top
U4 "TPS51200DRCT" REG_PMIC_TPS51200DRCT 6610.15,2758.57 r0 top value="DDR, DDR2, DDR3(L), DDR4"
U5 "TPS7A4701RGWR" REG_TPS7A4701RGWR 2948,4281 r90 top value="1.4 à 34V"
U6 "TPS7A4701RGWR" REG_TPS7A4701RGWR 2359.65,4294.77 r180 top value="1.4 à 34V"
U7 "KSZ8091MNXCA" COM_ETH_PHY_KSZ8091MNXCA 1542.13,6225 r0 top
U8 "XC6SLX100-3FGG676C" FPGA_XILINX_FGG676 3802.66,2977 r180 top locked
U9 "MT41J128M16JT-125" MEM_DDR3_MT41J128M16JT-125 5351.19,3152.44 r0 top locked
U10 "CDCE62005RGZT" TIM_CDCE62005RGZT 3290,830.87 r0 top
U11 "TPS7A4701RGWR" REG_TPS7A4701RGWR 1051.46,764.49 r90 top value="1.4 à 34V"
U12 "AT25DF321A-MH-T" 8MA1_UDFN_REN-L 3960,3840 r180 top
U13 "DRV8811PWPR" POW_MOTOR_DRV8811PWPR 1240,8260 r0 top
U14 "AD9146BCPZ" DAC_AD9146BCPZ 1588.13,1861.69 r90 top
U15 "AD8056ARMZ" OPAMP_AD8056ARMZ 641.61,1861.69 r270 top
U16 "ADS62P48IRGCT" ADC_ADS62P48IRGCT 1480.02,3281.89 r270 top
U17 "ADA4927-2YCPZ-R2" OPAMP_ADA4927-2YCPZ-R2 800.71,3460.16 r90 top
U18 "LMZ34002RKGR" REG_SWR_LMZ34002RKGR 2213.25,681.06 r0 top value="-3 ~ -17V"
U19 "TPS7A3301RGWR" REG_LDO_TPS7A3301RGWR 1573.82,849.37 r0 top value=-1.18V~-33V
U20 "TPS7A4701RGWR" REG_TPS7A4701RGWR 5713.82,4186.49 r0 top value="1.4 à 34V"
U21 "TPS7A4701RGWR" REG_TPS7A4701RGWR 5168.82,4181.49 r0 top value="1.4 à 34V"
U22 "ADA4927-2YCPZ-R2" OPAMP_ADA4927-2YCPZ-R2 800,2828 r90 top
Y1 "ASDMB-25.000MHZ-LC-T" OSC_ASDMB-25.000MHZ-LC-T 1380,6070 r90 bottom value=25MHz
Y2 "590BD-BDG" OSC_590BD-BDG 3310,362.68 r90 top value="±7ppm (freq Stability), ±20ppm (freq stability total)"

## Footprints (in the part's own frame and the unit in brackets; to place one, negate y for a bottom-side part, rotate by r counter-clockwise, add the part's x,y. Pads: shape width x height; smd on the part's side, far side on the other; paste and mask are expansions set on the pad)
8MA1_UDFN_REN-L [mil]
  rect 38x17 smd paste+0 mask+0: 1(-109,75) 2(-109,25) 3(-109,-25) 4(-109,-75) 5(109,-75) 6(109,-25) 7(109,25) 8(109,75)
  rect 142x165 smd paste+0 mask+0: 9(0,0)
  silkscreen extent -184,-106 125,106, body extent -120,-101 120,101, height 24
ADC_ADS62P48IRGCT [mm] "QFN, 64-Leads, Body 9,00x9,00mm, Pitch 0,50mm, Thermal Pad 7,40x7,40mm, IPC Medium Density"
  oval 0.8x0.23 smd mask+0.07: 1(-4.475,3.75) 2(-4.475,3.25) 3(-4.475,2.75) 4(-4.475,2.25) 5(-4.475,1.75) 6(-4.475,1.25) 7(-4.475,0.75) 8(-4.475,0.25) 9(-4.475,-0.25) 10(-4.475,-0.75) 11(-4.475,-1.25) 12(-4.475,-1.75) 13(-4.475,-2.25) 14(-4.475,-2.75) 15(-4.475,-3.25) 16(-4.475,-3.75) 33(4.475,-3.75) 34(4.475,-3.25) 35(4.475,-2.75) 36(4.475,-2.25) 37(4.475,-1.75) 38(4.475,-1.25) 39(4.475,-0.75) 40(4.475,-0.25) 41(4.475,0.25) 42(4.475,0.75) 43(4.475,1.25) 44(4.475,1.75) 45(4.475,2.25) 46(4.475,2.75) 47(4.475,3.25) 48(4.475,3.75)
  oval 0.23x0.8 smd mask+0.07: 17(-3.75,-4.475) 18(-3.25,-4.475) 19(-2.75,-4.475) 20(-2.25,-4.475) 21(-1.75,-4.475) 22(-1.25,-4.475) 23(-0.75,-4.475) 24(-0.25,-4.475) 25(0.25,-4.475) 26(0.75,-4.475) 27(1.25,-4.475) 28(1.75,-4.475) 29(2.25,-4.475) 30(2.75,-4.475) 31(3.25,-4.475) 32(3.75,-4.475) 49(3.75,4.475) 50(3.25,4.475) 51(2.75,4.475) 52(2.25,4.475) 53(1.75,4.475) 54(1.25,4.475) 55(0.75,4.475) 56(0.25,4.475) 57(-0.25,4.475) 58(-0.75,4.475) 59(-1.25,4.475) 60(-1.75,4.475) 61(-2.25,4.475) 62(-2.75,4.475) 63(-3.25,4.475) 64(-3.75,4.475)
  rect 7.4x7.4 smd mask+0.07: PAD(0,0)
  silkscreen extent -5.5,-4.72 4.72,4.72, body extent -4.57,-4.57 4.57,4.57, height 1
CAP_0402 [mil]
  rrect60% 20x20 smd: 1(-17.5,0) 2(17.5,0)
  silkscreen extent -32,-15 32,15, body extent -19,-10 20,10, height 20
CAP_0603 [mil]
  rrect35% 35x34 smd: 1(-29.5,0) 2(29.5,0)
  silkscreen extent -56,-30 56,30, body extent -32,-16 31,16, height 35
CAP_0805 [mil]
  rrect37% 43x55 smd: 1(-33.5,0) 2(33.5,0)
  silkscreen extent -66,-38 66,38, body extent -39,-24 40,25, height 49
CAP_1206 [mil]
  rrect34% 47x71 smd: 1(-57,0) 2(57,0)
  silkscreen extent -91,-45 91,45, body extent -62,-31 64,32, height 49
CAP_ALU_1010_vishay [mm]
  rrect50% 4.4x2.5 smd: 1(8.4,0) 2(0,0)
  silkscreen extent -0.72,-6.05 11.22,5.28, body extent -1.4,-5.17 10.2,5.13, height 10.2
CAP_ALU_1616_vishay [mm]
  rrect50% 7.8x9.6 smd: 1(12.5,0) 2(0,0)
  silkscreen extent -2.7,-8.42 16.68,8.6, body extent -2.7,-8.4 15,8.6, height 16.5
COM_ETH_PHY_KSZ8091MNXCA [mm]
  rect 0.8x0.25 smd: 1(-2.45,1.75) 2(-2.45,1.25) 3(-2.45,0.75) 4(-2.45,0.25) 5(-2.45,-0.25) 6(-2.45,-0.75) 7(-2.45,-1.25) 8(-2.45,-1.75) 17(2.45,-1.75) 18(2.45,-1.25) 19(2.45,-0.75) 20(2.45,-0.25) 21(2.45,0.25) 22(2.45,0.75) 23(2.45,1.25) 24(2.45,1.75)
  rect 0.25x0.8 smd: 9(-1.75,-2.45) 10(-1.25,-2.45) 11(-0.75,-2.45) 12(-0.25,-2.45) 13(0.25,-2.45) 14(0.75,-2.45) 15(1.25,-2.45) 16(1.75,-2.45) 25(1.75,2.45) 26(1.25,2.45) 27(0.75,2.45) 28(0.25,2.45) 29(-0.25,2.45) 30(-0.75,2.45) 31(-1.25,2.45) 32(-1.75,2.45)
  rrect0% 3.4x3.4 smd: 33(0,0)
  round 0.6 hole 0.35: 34(-1.07,1.07) 35(0,1.07) 36(1.07,1.07) 37(-1.07,0) 38(0,0) 39(1.07,0) 40(-1.07,-1.07) 41(0,-1.07) 42(1.07,-1.07)
  silkscreen extent -3.48,-2.98 2.98,2.98, body extent -2.5,-2.5 2.5,2.5, height 0.9
CON_MINIFIT_0039300060 [mm]
  round 0 hole 2.997 unplated mask+0.07: 0(-4.2,2.718) 0(4.2,2.718)
  rect 3x3 hole 1.803 mask+0.07: 1(-4.2,-4.583)
  round 3 hole 1.803 mask+0.07: 2(0,-4.583) 3(4.2,-4.583) 4(-4.2,-10.082) 5(0,-10.082) 6(4.2,-10.082)
  silkscreen extent -7.37,-3.3 6.98,9.4, body extent -7.3,-10.62 6.9,9.32, height 11.4
CON_USB_10118194-0001LF [mm]
  rrect50% 0.4x1.35 smd paste+0 mask+0.05: 1(-1.3,2.7) 2(-0.65,2.7) 3(0,2.7) 4(0.65,2.7) 5(1.3,2.7)
  rrect100% 1.25x0.95 hole 0.55 slot 0.85 at 0 deg mask+0.05: 6(2.5,2.7) 11(-2.5,2.7)
  rrect100% 0.95x1.55 hole 0.5 slot 1.15 at 90 deg mask+0.05: 7(3.5,0) 10(-3.5,0)
  rect 1.5x1.55 smd paste+0 mask+0.05: 8(1,0) 9(-1,0)
  L1_Signal region: 2.3,-0.775 3.5,-0.775 3.5,0.775 2.3,0.775
  L1_Signal region: -2.3,0.775 -3.5,0.775 -3.5,-0.775 -2.3,-0.775
  silkscreen extent -4.3,-1.2 4.3,4.11, body extent -4.03,-2.69 4.02,2.89, height 2.72
CONN_ETHERNET_RJHSE-5385 [mil] "Ethernet connector with LEDs"
  round 150 hole 128: 0(-250,-100) 0(250,-100)
  oct 60x60 hole 35: 1(140,0)
  round 60 hole 35: 2(100,70) 3(60,0) 4(20,70) 5(-20,0) 6(-60,70) 7(-100,0) 8(-140,70) 9(270,260) 10(180,260) 11(-180,260) 12(-270,260)
  silkscreen extent -330,-300 335,300, body extent -329,-325 334,313, height 597
CONN_SMA_5-1814400-1 [mm] "SMA Right Angle Jack, 14.8x6.35x9.6mm"
  round 2.2 hole 1.65: 1(0,0) 2(-2.54,2.54) 3(2.54,2.54) 4(-2.54,-2.54) 5(2.54,-2.54)
  silkscreen extent -3.17,-3.17 3.17,3.17, body extent -3.15,-3.16 3.18,11.04, height 10.47
CONN_TERMINAL_OSTTA040161 [mm] "4-pins terminal block"
  rect 1.905x1.905 hole 1.3 mask+0.12: 1(-7.5,0)
  round 1.905 hole 1.3 mask+0.12: 2(-2.5,0) 3(2.5,0) 4(7.5,0)
  silkscreen extent -10.6,-4 10.6,5, body extent -10.67,-3.3 10.49,4.2, height 10.08
DAC_AD9146BCPZ [mm] "QFN, 48-Leads, Body 7x7mm, Pitch 0.5mm, Thermal Pad 5.6x5.6mm, IPC Medium Density"
  oval 0.85x0.28 smd mask+0.07: 1(-3.475,2.75) 2(-3.475,2.25) 3(-3.475,1.75) 4(-3.475,1.25) 5(-3.475,0.75) 6(-3.475,0.25) 7(-3.475,-0.25) 8(-3.475,-0.75) 9(-3.475,-1.25) 10(-3.475,-1.75) 11(-3.475,-2.25) 12(-3.475,-2.75) 25(3.475,-2.75) 26(3.475,-2.25) 27(3.475,-1.75) 28(3.475,-1.25) 29(3.475,-0.75) 30(3.475,-0.25) 31(3.475,0.25) 32(3.475,0.75) 33(3.475,1.25) 34(3.475,1.75) 35(3.475,2.25) 36(3.475,2.75)
  oval 0.28x0.85 smd mask+0.07: 13(-2.75,-3.475) 14(-2.25,-3.475) 15(-1.75,-3.475) 16(-1.25,-3.475) 17(-0.75,-3.475) 18(-0.25,-3.475) 19(0.25,-3.475) 20(0.75,-3.475) 21(1.25,-3.475) 22(1.75,-3.475) 23(2.25,-3.475) 24(2.75,-3.475) 37(2.75,3.475) 38(2.25,3.475) 39(1.75,3.475) 40(1.25,3.475) 41(0.75,3.475) 42(0.25,3.475) 43(-0.25,3.475) 44(-0.75,3.475) 45(-1.25,3.475) 46(-1.75,3.475) 47(-2.25,3.475) 48(-2.75,3.475)
  rect 5.6x5.6 smd mask+0.07: PAD(0,0)
  silkscreen extent -4.47,-3.7 3.7,3.7, body extent -3.55,-3.55 3.55,3.55, height 0.8
DIO_SCHOTTKY_MBRB4030T4G [mil]
  rrect50% 40x137.95 smd paste+0 mask+4: 1(-100,-333.68) 3(100,-333.68)
  rrect5% 412.99x329.92 smd paste-206.5 mask+4: 4(0,68.41)
  silkscreen extent -225,-340 225,250, body extent -199,-372 201,229, height 196
FER_0603 [mil]
  rrect53% 35x34 smd: 1(-29.5,0) 2(29.5,0)
  silkscreen extent -57,-30 57,30, body extent -31,-16 31,15, height 31
FER_1206 [mil]
  rrect34% 47x71 smd: 1(-57,0) 2(57,0)
  silkscreen extent -91,-45 91,45, body extent -62,-30 64,32, height 51
FID_CIRCLE_1MM [mm]
  round 1 smd paste-1 mask+1: 1(0,0)
  round 1 smd far side paste-1 mask+1: 2(0,0)
  L1_Signal keep-out circle w1: c0,0 r1
  L12_Signal keep-out circle w1: c0,0 r1
  silkscreen extent -1.65,-1.65 1.65,1.65